# KiCad board Pico Debugger.kicad_pcb (continued)
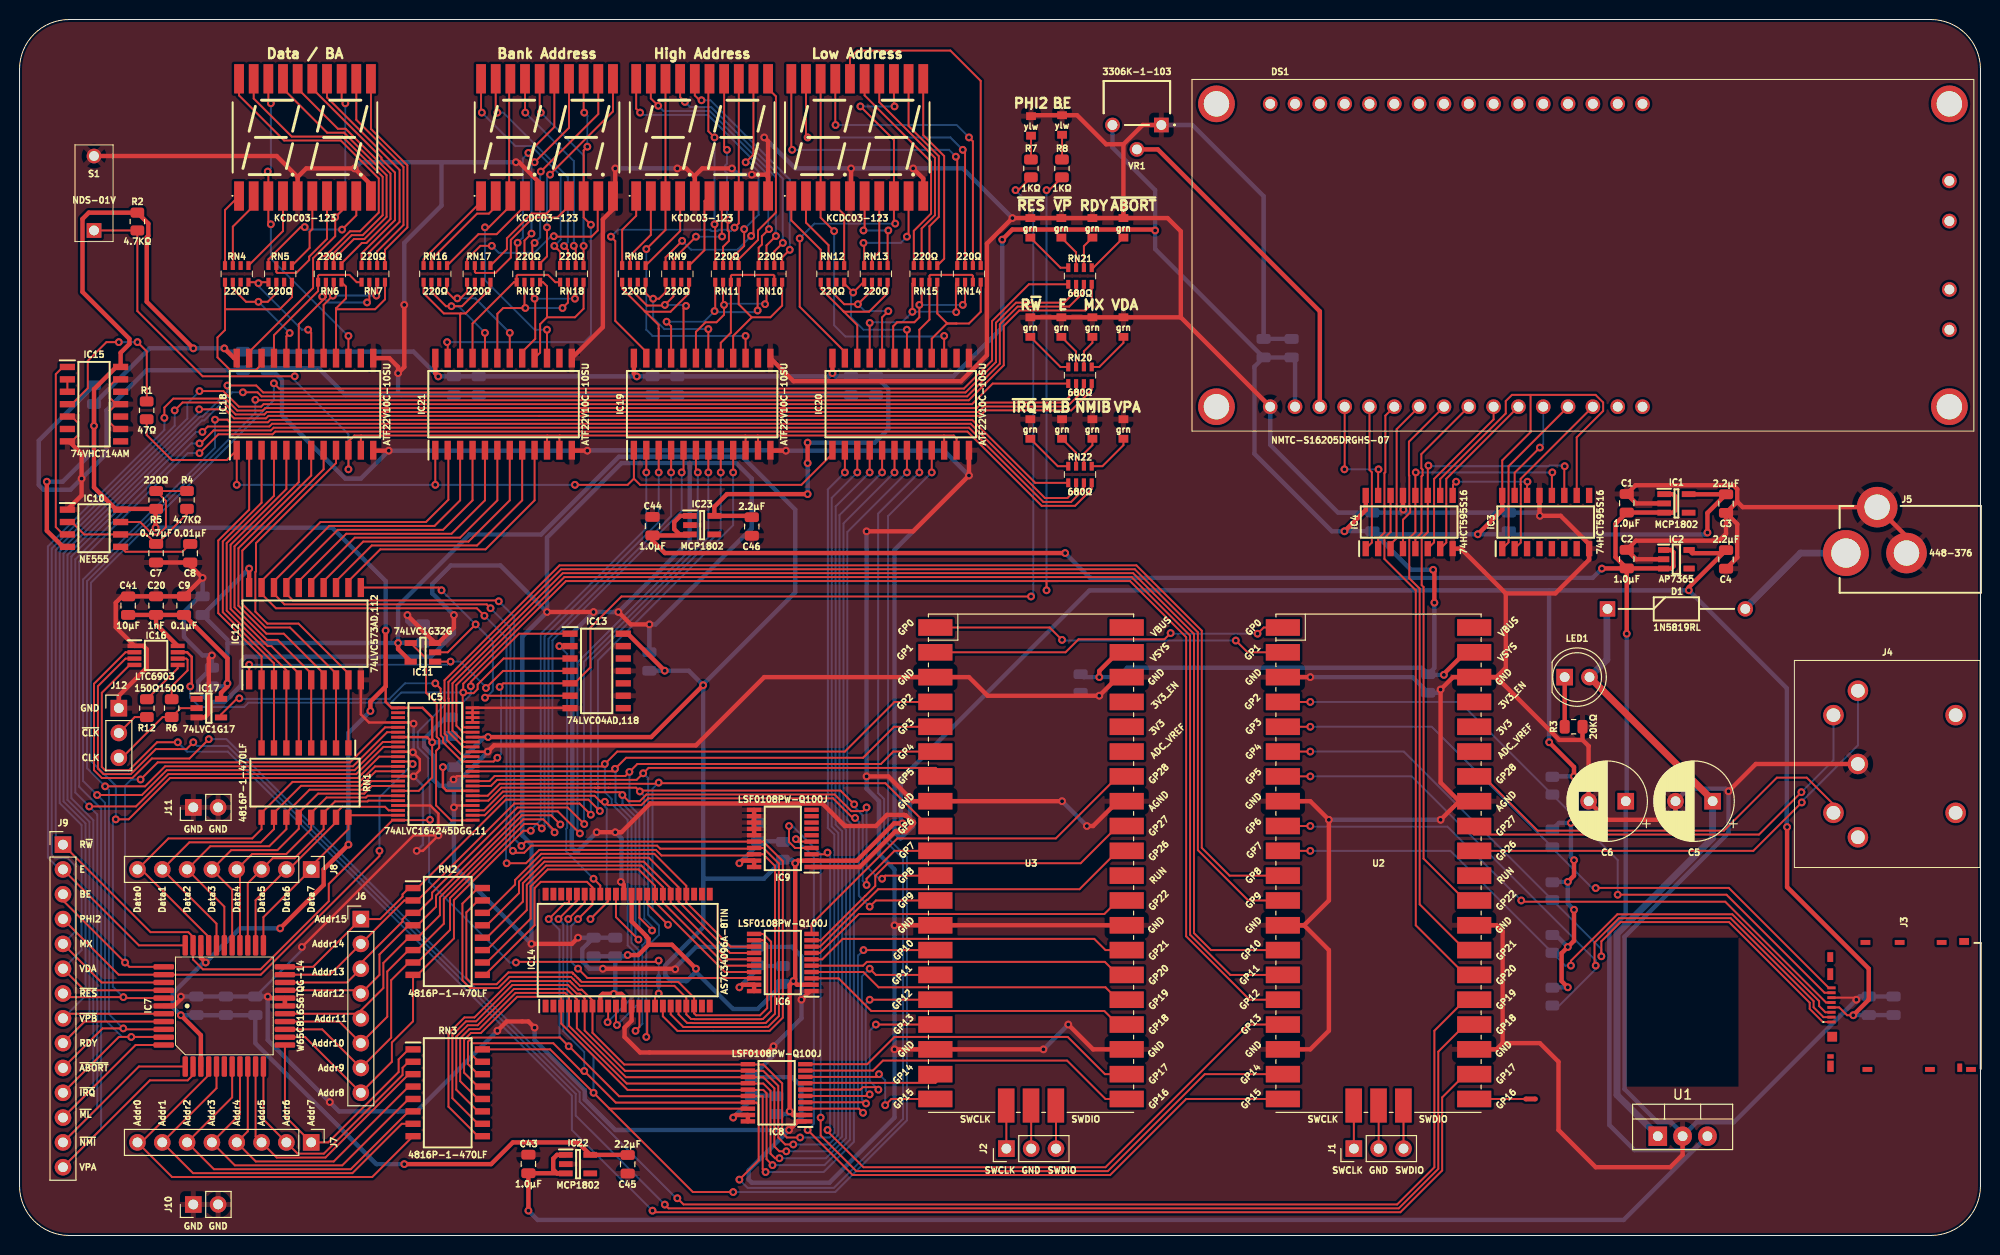
[diagram p0: board, top side]
## Routing (per net, layer and track width the routed paths; a pad name or vN(x,y) marks a point on that pad's centre or on a via; arc(x,y) is an arc through that point) (continued)
/Addr0_{Pico}: length 34.7
  Top w0.2: U3.22 111.07,16.51 107.26,20.32 89.54,20.32 86.75,17.53 IC8.10
/Addr0_{W65}: length 41.2
  Top w0.2: 19.35,16.43 12.45,9.53 ; J7.8 15.61,5.98 36.09,5.98 RN3.8
/Addr1: length 135.4
  Top w0.2: 46.91,11.43 44.29,14.05 44.29,20.52 45.69,21.92 46.72,21.92 50.43,25.64 56.14,25.64 57.02,24.75 57.33,24.75 57.83,24.26 IC14.6 57.83,20.98 61.96,16.85 76.1,16.85 77.64,15.31 77.64,10.02 78.35,9.32 v1(79.17,9.32) ; 85.72,80.38 v1(85.72,78.11)
  Bottom w0.2: v1(85.72,78.11) 83.11,75.49 83.11,41.87 83.78,41.21 83.78,10.3 82.8,9.32 v1(79.17,9.32)
/Addr1_{Pico}: length 34
  Top w0.2: IC8.9 87.33,16.88 88.35,17.9 107.19,17.9 111.12,13.97 112.39,13.97
/Addr1_{W65}: length 39.1
  Top w0.2: IC7.11 20.16,15.08 J7.7 17.75,6.38 34.06,6.38 39.11,11.43 RN3.7
/Addr2: length 134.8
  Top w0.2: 46.91,12.7 44.69,14.92 44.69,20.35 45.86,21.52 46.88,21.52 50.59,25.23 55.98,25.23 57.03,24.18 IC14.5 57.03,21.22 62.05,16.2 76.1,16.2 77.24,15.06 77.24,9.12 77.74,8.62 v1(78.46,8.62) ; IC20.4 v1(87,78.11)
  Bottom w0.2: v1(78.46,8.62) 82.66,8.62 84.18,10.13 84.18,41.37 83.51,42.04 83.51,74.62 v1(87,78.11)
/Addr2_{Pico}: length 17.4
  Top w0.2: 94.61,13.97 89.22,13.97 v1(88.58,13.34) ; v1(87.95,16.51) 87.67,16.23 IC8.8
  Bottom w0.2: v1(88.58,13.34) 88.58,15.88 v1(87.95,16.51)
/Addr2_{W65}: length 35.9
  Top w0.2: 21.76,17.3 21.76,14.14 J7.6 19.89,6.78 33.89,6.78 39.82,12.7
/Addr3: length 134.2
  Top w0.2: 46.91,13.97 45.09,15.79 45.09,20.18 46.02,21.12 47.05,21.12 50.76,24.83 55.81,24.83 56.23,24.41 IC14.4 56.23,21.45 62.13,15.55 76.1,15.55 76.84,14.81 76.84,8.37 77.3,7.91 v1(77.76,7.91) ; IC20.5 v1(88.27,78.11)
  Bottom w0.2: v1(77.76,7.91) 82.52,7.91 84.58,9.97 84.58,41.54 83.91,42.21 83.91,73.75 v1(88.27,78.11)
/Addr3_{Pico}: length 14.5
  Top w0.2: U3.19 93.73,15.62 80.45,15.62
/Addr3_{W65}: length 32.9
  Top w0.2: IC7.14 22.55,12.4 J7.5 22.03,7.18 33.02,7.18 39.82,13.97
/Addr4: length 133.4
  Top w0.2: v1(77.05,7.2) 76.44,7.81 76.44,14.56 76.1,14.9 62.22,14.9 55.43,21.69 IC14.3 55.43,24.33 55.33,24.43 50.92,24.43 47.21,20.72 46.19,20.72 45.49,20.02 45.49,16.66 46.91,15.24 ; IC20.6 v1(89.54,78.11)
  Bottom w0.2: v1(77.05,7.2) 82.37,7.2 84.98,9.8 84.98,41.7 84.31,42.37 84.31,72.88 v1(89.54,78.11)
/Addr4_{Pico}: length 22
  Top w0.2: U3.17 v1(87.63,21.59) ; v1(87.88,14.92) 87.63,15.18 86.3,15.18 86.05,14.93 IC8.6
  Bottom w0.2: v1(87.88,14.92) 87,15.81 87,20.96 v1(87.63,21.59)
/Addr4_{W65}: length 29.8
  Top w0.2: 39.82,15.24 32.15,7.58 24.17,7.58 J7.4 23.35,10.66 IC7.15
/Addr5: length 145.9
  Top w0.2: IC14.41 56.23,34.09 56.13,33.99 55.76,33.99 v1(54.15,32.38) ; 46.91,16.51 45.89,17.53 45.89,19.84 46.3,20.26 55.31,20.26 v1(56.2,19.37) 56.23,19.37 61.35,14.25 76.04,14.25 76.04,6.79 v1(76.34,6.49) ; IC20.7 v1(90.8,78.11)
  Bottom w0.2: v1(76.34,6.49) 82.29,6.49 85.38,9.58 85.38,41.87 84.71,42.54 84.71,72.01 v1(90.8,78.11) ; v1(56.2,19.37) 55.25,20.32 55.25,31.29 v1(54.15,32.38)
/Addr5_{Pico}: length 24.3
  Top w0.2: 94.61,24.13 v1(87,24.13) ; 80.41,14.28 86.84,14.28 v1(87,14.44)
  Bottom w0.2: v1(87,24.13) 86.6,23.73 86.6,14.84 v1(87,14.44)
/Addr5_{W65}: length 27.3
  Top w0.2: IC7.16 24.16,10.14 J7.3 26.31,7.98 31.3,7.98 39.84,16.51
/Addr6: length 153.8
  Top w0.2: IC14.40 57.03,34.26 v1(55.15,32.39) ; v1(73.66,5.72) 75.64,7.69 75.64,13.36 75.39,13.6 61.01,13.6 v1(57.78,16.83) 57.47,16.83 54.62,19.67 46.29,19.67 46.29,18.48 46.99,17.78 ; IC20.8 v1(92.08,78.11)
  Bottom w0.2: v1(92.08,78.11) 87.87,73.9 87.87,45.27 88.47,44.67 88.47,40.5 90.41,38.57 90.41,11.95 83.33,4.87 74.5,4.87 v1(73.66,5.72) ; v1(57.78,16.83) 57.78,18.77 55.64,20.91 55.64,31.89 v1(55.15,32.39)
/Addr6_{Pico}: length 28.4
  Top w0.2: v1(86.62,13.51) 86.5,13.63 IC8.4 ; U3.15 87.63,26.67 v1(87,27.31)
  Bottom w0.2: v1(86.62,13.51) 86.2,13.94 86.2,26.51 v1(87,27.31)
/Addr6_{W65}: length 26.1
  Top w0.2: IC7.17 24.95,11.88 J7.2 28.45,8.38 31.14,8.38 39.19,16.43 39.19,17.16 39.82,17.78
/Addr7: length 160.2
  Top w0.2: IC8.18 60.36,12.98 60.33,13.02 ; IC20.9 v1(93.35,78.11) ; 60.33,13.02 v1(58.74,14.61) 54.29,19.05 RN3.16 ; 60.33,13.02 68.9,4.45 v1(73.03,4.45) ; IC14.39 57.83,34.06 v1(56.15,32.39)
  Bottom w0.2: v1(56.15,32.39) 56.05,32.29 56.05,21.07 58.74,18.38 v1(58.74,14.61) ; v1(73.03,4.45) 83.47,4.45 90.8,11.78 90.8,38.73 88.87,40.67 88.87,73.63 v1(93.35,78.11)
/Addr7_{Pico}: length 31.4
  Top w0.2: IC8.3 85.89,12.98 v1(86.31,12.56) ; U3.14 v1(86.36,29.21)
  Bottom w0.2: v1(86.36,29.21) 85.8,28.65 85.8,13.08 v1(86.31,12.56)
/Addr7_{W65}: length 25.8
  Top w0.2: 39.82,19.05 38.79,18.03 38.79,16.74 31.58,9.53 J7.1 27.16,12.22 IC7.18
/Addr8: length 45.3
  Top w0.2: 75.13,26.35 58.11,26.35 v1(57.15,27.31) ; 47.62,26.67 52.7,31.75 52.7,35.56 53.34,36.2 58.07,36.2 58.63,35.63 IC14.38 58.63,33.87 v1(57.15,32.39)
  Bottom w0.2: v1(57.15,32.39) 56.45,31.69 56.45,28.01 v1(57.15,27.31)
/Addr8_{Pico}: length 33.3
  Top w0.2: IC6.3 83.82,26.32 87.16,22.98 111,22.98 U3.24
/Addr8_{W65}: length 88.3
  Top w0.2: v1(52.32,41.43) 51.55,41.43 44.45,34.33 44.45,30.4 40.72,26.67 ; RN2.8 40.27,21.92 38.1,19.76 38.1,17.78 J6.8 29.23,20.3 IC7.19 ; v1(64.14,78.11) 64.14,80.38
  Bottom w0.2: v1(64.14,78.11) 64.14,72.39 53.33,61.58 53.33,42.54 52.32,41.53 v1(52.32,41.43)
/Addr9: length 38.6
  Top w0.2: IC6.17 72.19,26.97 65.03,34.12 IC14.30 65.03,35.79 63.35,37.47 54.05,37.47 52.31,35.73 52.31,32.43 47.81,27.94
/Addr9_{Pico}: length 32.5
  Top w0.2: IC6.4 86.35,26.97 87.91,25.4 111.12,25.4 112.39,24.13
/Addr9_{W65}: length 86.6
  Top w0.2: v1(53.44,41.66) 52.98,42.13 51.65,42.13 44.05,34.53 44.05,31.27 40.72,27.94 ; IC7.20 30.97,21.1 J6.7 38.03,20.25 38.03,26.13 39.84,27.94 ; IC19.3 v1(65.41,78.11)
  Bottom w0.2: v1(53.44,41.66) 53.73,41.95 53.73,61.35 65.41,73.03 v1(65.41,78.11)
/Addr10: length 37.6
  Top w0.2: IC6.16 72.31,27.62 65.83,34.09 IC14.29 65.83,35.66 63.63,37.86 53.88,37.86 51.91,35.89 51.91,33.3 47.81,29.21
/Addr10_{Pico}: length 32.1
  Top w0.2: IC6.5 86.32,27.62 86.71,28 111.06,28 U3.26
/Addr10_{W65}: length 86.5
  Top w0.2: IC19.4 v1(66.67,78.11) ; 40.72,29.21 43.42,31.91 43.42,34.46 51.55,42.59 53.59,42.59 54.75,41.43 v1(54.75,41.26) ; IC7.21 32.72,21.9 J6.6 37.63,22.39 37.63,27.02 39.82,29.21
  Bottom w0.2: v1(66.67,78.11) 66.67,73.63 54.13,61.08 54.13,41.88 v1(54.75,41.26)
/Addr11: length 36.7
  Top w0.2: 47.81,30.48 51.51,34.17 51.51,36.06 53.71,38.26 63.88,38.26 66.63,35.52 IC14.28 66.63,34.09 72.46,28.27 IC6.15
/Addr11_{Pico}: length 32.7
  Top w0.2: IC6.6 82.13,28.27 84.23,30.36 109.98,30.36 111.12,29.21 U3.27
/Addr11_{W65}: length 83.1
  Top w0.2: 39.82,30.48 37.23,27.89 37.23,25.33 34.92,23.02 J6.5 ; IC19.5 67.94,78.29 v1(67.76,78.11) ; v1(55.34,42.07) 54.4,43.01 51.4,43.01 43.02,34.62 43.02,32.78 40.72,30.48 ; IC7.22 34.45,22.7
  Bottom w0.2: v1(55.34,42.07) 54.53,42.88 54.53,60.91 67.76,74.14 v1(67.76,78.11)
/Addr12: length 35.8
  Top w0.2: 47.81,31.75 51.11,35.04 51.11,36.22 53.55,38.66 64.41,38.66 67.43,35.65 IC14.27 67.43,34.19 72.71,28.92 IC6.14
/Addr12_{Pico}: length 33.6
  Top w0.2: IC6.7 81.9,28.92 85.89,32.9 111,32.9 U3.29
/Addr12_{W65}: length 84
  Top w0.2: 69.22,80.38 69.22,78.24 69.4,78.05 ; 39.82,31.75 36.83,28.76 36.83,26.67 J6.4 ; 40.72,31.75 42.62,33.65 42.62,34.79 51.24,43.41 55.08,43.41 v1(57.34,41.15) ; IC7.25 34.59,25.1
  Bottom w0.2: 69.4,78.05 69.4,70.96 57.09,58.64 57.09,41.41 v1(57.34,41.15)
  vias: v1(69.4,78.11)
/Addr13: length 35.1
  Top w0.2: 47.81,33.02 50.71,35.91 50.71,36.39 53.38,39.06 64.95,39.06 68.23,35.79 IC14.26 68.23,34.09 72.76,29.57 IC6.13
/Addr13_{Pico}: length 35.4
  Top w0.2: 112.39,39.37 108.46,35.44 87.86,35.44 86.78,34.35 86.71,34.35 81.92,29.57 IC6.8
/Addr13_{W65}: length 81.7
  Top w0.2: IC7.26 33.52,25.9 J6.3 ; 34.92,27.87 39.19,32.14 39.19,32.37 39.84,33.02 ; 40.72,33.02 42.22,34.52 42.22,35.09 50.93,43.81 56.09,43.81 v1(57.78,42.11) ; IC19.7 v1(70.49,78.11)
  Bottom w0.2: v1(57.78,42.11) 57.76,42.14 57.76,58.74 70.49,71.47 v1(70.49,78.11)
/Addr14: length 51.1
  Top w0.2: 46.93,34.29 45.72,33.08 45.72,26.35 46.35,25.72 48.82,25.72 50.03,26.92 56.54,26.92 56.64,26.83 56.64,26.83 56.88,26.59 57.11,26.36 57.52,25.95 67.41,25.95 69.03,24.33 IC14.20 69.03,22.74 69.23,22.53 75.77,22.53 76.51,23.27 76.51,29.81 76.1,30.22 IC6.12
/Addr14_{Pico}: length 36.8
  Top w0.2: IC6.9 82,30.22 86.54,34.75 86.54,34.75 87.57,35.78 87.57,36.8 88.86,38.1 108.58,38.1 U3.32
/Addr14_{W65}: length 81.4
  Top w0.2: 40.72,34.29 50.63,44.21 57.32,44.21 v1(58.46,43.07) ; IC19.8 71.75,77.79 ; IC7.27 31.78,26.7 J6.2 39.37,34.29 RN2.2
  Bottom w0.2: 71.75,77.79 71.75,72.18 58.46,58.88 v1(58.46,43.07)
  vias: v1(71.75,78.11)
/Addr15: length 54.8
  Top w0.2: 46.91,35.56 45.32,33.97 45.32,26.12 46.12,25.32 48.99,25.32 50.14,26.47 56.44,26.47 56.71,26.19 57.35,25.55 67.01,25.55 68.23,24.33 IC14.19 68.23,22.63 68.71,22.15 69.05,22.15 69.07,22.14 75.94,22.14 75.96,22.15 76.06,22.15 76.91,23 76.91,30.06 76.1,30.87 IC6.11
/Addr15_{Pico}: length 38.6
  Top w0.2: IC6.10 81.04,31.87 89.82,40.64 106.05,40.64 U3.34
/Addr15_{W65}: length 81.8
  Top w0.2: IC19.9 v1(73.03,78.11) ; 40.72,35.56 49.76,44.61 58.22,44.61 v1(59.38,43.44) ; IC7.28 30.03,27.5 J6.1 36.9,32.39 39.19,34.68 39.19,34.91 39.84,35.56
  Bottom w0.2: v1(59.38,43.44) 59.19,43.64 59.19,58.87 73.03,72.71 v1(73.03,78.11)
/Addr16: length 132.8
  Top w0.2: 24.77,65.67 26.24,64.2 46.8,64.2 v1(47.57,63.43) ; v1(49.85,38.1) 51.83,38.1 53.19,39.46 65.12,39.46 65.69,38.89 75.04,38.89 ; IC14.18 67.43,22.63 68.31,21.75 68.88,21.75 68.9,21.74 76.11,21.74 76.12,21.75 76.36,21.75 77.31,22.7 77.31,37.81 76.1,39.02 IC9.18 ; 43.88,80.31 43.88,75.31 41.59,73.03 30.8,73.03 24.77,66.99
  Bottom w0.2: v1(49.85,38.1) 49.78,38.16 49.78,42.13 49.83,42.17 49.83,61.17 v1(47.57,63.43)
/Addr16_{Pico}: length 85.5
  Top w0.2: v1(82.68,39.19) 82.5,39.02 IC9.3 ; U2.17 125.73,21.59 111.12,6.99 86.36,6.99 82.68,10.67 v1(82.68,10.8)
  Bottom w0.2: v1(82.68,10.8) 82.95,11.07 82.95,38.92 v1(82.68,39.19)
/Addr17: length 133
  Top w0.2: v1(48.2,64.21) 47.8,64.6 27.11,64.6 26.03,65.67 ; IC14.17 66.63,22.63 67.93,21.34 76.27,21.34 76.29,21.35 76.6,21.35 77.71,22.46 77.71,38.06 76.1,39.67 IC9.17 ; v1(50.48,39.37) 50.68,39.17 51.64,39.17 52.37,39.9 65.24,39.9 65.55,39.59 75.09,39.59 ; 26.03,66.97 31.69,72.63 42.46,72.63 45.08,75.25 IC21.3
  Bottom w0.2: v1(50.48,39.37) 50.19,39.66 50.19,41.98 50.23,42.01 50.23,62.18 v1(48.2,64.21)
/Addr17_{Pico}: length 91.2
  Top w0.2: v1(78.74,41.91) 78.74,40.29 79.36,39.67 IC9.4 ; U2.19 121.29,16.51 111.36,6.59 85.63,6.59 81.98,10.23 v1(81.98,12.07)
  Bottom w0.2: v1(78.74,41.91) 79.09,41.91 81.98,39.02 v1(81.98,12.07)
/Addr18: length 134
  Top w0.2: 27.3,65.67 27.98,65 48.95,65 v1(49.04,64.91) ; 27.3,66.97 32.56,72.23 43.33,72.23 46.36,75.25 IC21.4 ; IC14.16 65.83,22.44 67.33,20.94 71,20.94 76.75,20.94 78.1,22.3 78.11,38.31 76.1,40.32 IC9.16 51.8,40.32 v1(51.35,39.87)
  Bottom w0.2: v1(51.35,39.87) 50.59,40.63 50.59,41.81 50.63,41.84 50.63,63.33 v1(49.04,64.91)
/Addr18_{Pico}: length 87.2
  Top w0.2: 130.18,13.97 119.38,13.97 111.6,6.19 85.25,6.19 v1(80.64,10.8) ; v1(79.45,40.57) 79.7,40.32 IC9.5
  Bottom w0.2: v1(80.64,10.8) 81.28,11.43 81.28,38.74 v1(79.45,40.57)
/Addr19: length 27.6
  Top w0.2: IC21.5 47.62,75.25 44.2,71.83 33.43,71.83 28.58,66.97
/Addr20: length 27.6
  Top w0.2: 29.84,66.97 34.3,71.43 45.07,71.43 48.89,75.25 IC21.6
/Addr21: length 27.6
  Top w0.2: 31.11,66.97 35.17,71.03 45.94,71.03 50.17,75.25 IC21.7
/Addr22: length 27.6
  Top w0.2: IC21.8 51.44,75.25 46.82,70.63 36.04,70.63 32.39,66.97
/Addr23: length 27.6
  Top w0.2: 33.66,66.97 36.91,70.23 47.69,70.23 52.7,75.25 IC21.9
/Bank Address Display/Digit 0 A Seg: length 13.7
  Top w0.2: RN18.7 56.92,95.97 v1(56.83,95.89) ; RN19.7 52.47,96.12 v1(52.7,95.89) 52.77,95.82 52.77,91.77 51.44,90.44
  Bottom w0.2: v1(56.83,95.89) v1(52.7,95.89)
/Bank Address Display/Digit 0 B Seg: length 15.6
  Top w0.2: IC21.16 53.27,90.37 53.27,93.28 53.97,93.98 ; 53.97,93.98 56.83,93.98 57.72,94.86 RN18.8 ; 53.97,93.98 53.97,97.17 53.57,97.58 RN19.8
/Bank Address Display/Digit 0 C Seg: length 14
  Top w0.2: RN16.4 43.75,96.59 44.42,95.92 v1(44.79,95.92) 45.12,95.92 45.79,96.59 RN17.1 ; IC21.18 v1(50.17,92.39)
  Bottom w0.2: v1(50.17,92.39) 46.64,95.92 v1(44.79,95.92)
/Bank Address Display/Digit 0 D Seg: length 14.9
  Top w0.2: RN17.2 46.59,96.44 45.27,95.12 v1(44.2,95.12) 43.63,95.12 42.14,96.6 RN16.2 ; IC21.20 v1(47.62,92.39)
  Bottom w0.2: v1(44.2,95.12) 44.9,95.12 v1(47.62,92.39)
/Bank Address Display/Digit 0 E Seg: length 15.1
  Top w0.2: 45.16,94.38 43.42,94.38 41.34,96.45 RN16.1 ; 45.16,94.38 45.08,94.3 IC21.22 ; 45.16,94.38 45.64,94.38 48.19,96.93 RN17.4
/Bank Address Display/Digit 0 F Seg: length 17
  Top w0.2: RN19.6 51.67,95.02 v1(51.75,94.93) 49.49,94.93 48.89,94.34 IC21.19 ; v1(55.56,94.93) 56.11,95.49 RN18.6
  Bottom w0.2: v1(55.56,94.93) v1(51.75,94.93)
/Bank Address Display/Digit 0 G Seg: length 15.3
  Top w0.2: RN18.5 54.83,97.58 54.08,98.32 50.97,98.32 50.87,98.23 RN19.5 50.58,97.58 46.36,93.35 IC21.21
/Bank Address Display/Digit L0 Cathode: length 32
  Top w0.2: v1(47.62,103.19) 48.02,103.19 50.22,105.4 ; 50.1,106.52 50.1,118.27 ; v1(53.97,92.71) IC21.15
  Bottom w0.2: v1(47.62,103.19) 47.62,97.79 52.7,92.71 v1(53.97,92.71)
/Bank Address Display/Digit R0 Cathode: length 43.6
  Top w0.2: v1(43.75,91.44) 43.81,91.38 IC21.23 ; DS5.13 57.72,115 v1(57.78,114.94) ; v1(58.1,111.44) 57.72,111.07 DS5.8 57.72,104.2 v1(58.47,103.46)
  Bottom w0.2: v1(43.75,91.44) 57.78,91.44 58.47,92.12 v1(58.47,103.46) ; v1(57.78,114.94) 58.1,114.62 v1(58.1,111.44)
/BE: length 223.1
  Top w0.2: 106.35,66.98 55.91,66.98 45.4,56.48 v1(45.4,55.58) ; 106.35,66.98 105.09,66.98 v1(105.09,66.04) ; 106.35,66.98 113.64,66.98 119.38,61.24 119.38,30.62 125.87,24.13 130.18,24.13 ; IC5.44 45.43,52.01 45.34,52.09 45.34,55.52 v1(45.4,55.58) ; v1(105.09,107) 105.36,107 R8.1 ; v1(45.4,55.58) 45.48,55.51 46.46,55.51 46.88,55.92 46.88,56.4 49.53,59.06 IC13.3
  Top w0.25: IC16.7 17.14,59.7 17.62,59.22 17.62,56.35 v1(17.46,56.2)
  Bottom w0.2: v1(17.46,56.2) 17.46,55.07 18.44,54.09 22.97,54.09 23.41,54.53 38.02,54.53 39.07,55.58 v1(45.4,55.58) ; v1(105.09,66.04) v1(105.09,107)
/BE_{W65}: length 61.6
  Top w0.2: v1(12.38,46.67) 14.13,48.42 33.82,48.42 37.41,52.01 IC5.5 ; 4.45,34.29 v1(10.8,27.94) 11.24,27.5 14.76,27.5
  Bottom w0.2: v1(10.8,27.94) 10.8,46.04 11.43,46.67 v1(12.38,46.67)
/Clk: length 5.8
  Top w0.2: IC16.6 17.07,59.05 17.19,58.92 17.19,57.83 15.57,56.21 R6.1
/Data0: length 81.5
  Top w0.2: U3.4 89.54,54.61 84.45,49.53 61.16,49.53 v1(59.89,48.26) 59.64,48.01 IC5.36 ; IC14.9 60.23,21.88 v1(60.18,21.83)
  Bottom w0.2: v1(60.18,21.83) 62.93,24.58 62.93,28.99 62.23,29.69 62.23,42.55 60.59,44.19 60.59,44.68 59.89,45.38 v1(59.89,48.26)
/Data0_{W65}: length 41.3
  Top w0.2: J8.8 15.24,40.64 23.81,40.64 24.77,41.59 RN1.9 ; IC5.13 36.37,48.01 34.79,46.43 27.93,46.43 24.77,43.26 ; 12.45,37.47 19.35,30.56
/Data1: length 80.3
  Top w0.2: IC5.35 60.68,47.51 v1(60.93,47.76) 62.07,48.9 86.32,48.9 89.49,52.07 U3.5 ; v1(61.13,21.54) 61.03,21.64 IC14.10
  Bottom w0.2: v1(61.13,21.54) 63.33,23.74 63.33,29.24 62.63,29.94 62.63,42.71 60.99,44.35 60.99,47.71 v1(60.93,47.76)
/Data1_{W65}: length 38.4
  Top w0.2: 26.03,42.36 26.03,41.59 24.68,40.24 17.38,40.24 J8.7 20.16,31.92 IC7.35 ; 26.03,43.26 28.8,46.03 34.95,46.03 36.43,47.51 IC5.14
/Data2: length 79.8
  Top w0.2: IC14.13 63.43,21.34 v1(63.04,20.94) ; IC5.33 48.1,46.51 48.62,47.03 61.99,47.03 v1(62.41,47.45) 63.22,48.26 88.14,48.26 89.41,49.53 94.61,49.53
  Bottom w0.2: v1(63.04,20.94) 63.73,21.64 63.73,29.7 64.06,30.03 64.06,30.91 63.43,31.54 63.43,43.04 62.41,44.06 v1(62.41,47.45)
/Data2_{W65}: length 34.8
  Top w0.2: IC5.16 36,46.51 35.12,45.63 29.68,45.63 27.3,43.26 ; IC7.34 20.95,33.66 J8.6 19.52,39.84 25.55,39.84 27.3,41.59 27.3,42.36
/Data3: length 80.8
  Top w0.2: IC5.32 48.23,46.01 48.86,46.64 63.15,46.64 v1(63.82,47.31) 64.37,47.86 93.74,47.86 U3.7 ; IC14.14 64.23,20.42 v1(64.14,20.32)
  Bottom w0.2: v1(63.82,47.31) 64.33,46.8 64.33,32.83 65.43,31.72 65.43,30.78 64.14,29.48 v1(64.14,20.32)
/Data3_{W65}: length 31.3
  Top w0.2: 21.76,29.7 21.76,35.4 J8.5 21.66,39.44 26.39,39.44 28.58,41.63 28.58,42.36 ; 28.58,43.26 30.55,45.23 35.28,45.23 36.06,46.01 IC5.17
/Data4: length 68.5
  Top w0.2: IC5.30 47.91,45.01 49.13,46.24 58.84,46.24 65.29,46.24 v1(65.41,46.36) 65.47,46.29 88.61,46.29 92.99,41.91 ; IC14.31 64.23,33.93 v1(66.36,31.81)
  Bottom w0.2: v1(65.41,46.36) 64.77,45.72 64.77,33.39 v1(66.36,31.81)
/Data4_{W65}: length 27.3
  Top w0.2: 29.84,43.26 31.42,44.83 35.45,44.83 35.63,45.01 IC5.19 ; 22.55,37.14 IC7.32 ; 29.84,42.55 29.84,41.59 27.29,39.04 23.8,39.04 J8.4
/Data5: length 77.9
  Top w0.2: v1(85.41,44.13) 84,45.54 63.56,45.54 v1(63.48,45.45) 63.09,45.84 59.11,45.84 59.02,45.8 58.95,45.84 58.87,45.84 49.3,45.84 47.97,44.51 IC5.29 ; IC14.32 63.43,32.52 v1(64.73,31.22) ; 94.61,39.37 89.54,39.37 86.68,36.51 v1(86.68,35.88)
  Bottom w0.2: v1(63.48,45.45) 63.93,45 63.93,32.43 64.73,31.62 v1(64.73,31.22) ; v1(86.68,35.88) 86.28,36.28 86.28,43.01 85.41,43.89 v1(85.41,44.13)
/Data5_{W65}: length 25.3
  Top w0.2: 31.11,42.36 31.11,41.59 28.14,38.61 25.91,38.61 J8.3 23.35,36.06 IC7.31 ; IC5.20 35.69,44.51 35.61,44.43 32.29,44.43 31.11,43.26
/Data6: length 78.4
  Top w0.2: IC5.27 47.54,43.51 49.46,45.44 58.86,45.44 59.01,45.37 61.4,45.37 v1(61.69,45.09) 62.32,44.45 63.46,44.45 64.15,45.14 83.41,45.14 85.12,43.43 86.3,43.43 v1(86.68,43.82) ; IC14.35 61.03,32.59 v1(63.33,30.29) ; U3.11 88.58,36.83 v1(88.27,36.51)
  Bottom w0.2: v1(63.33,30.29) 63.03,30.59 63.03,42.88 61.69,44.22 v1(61.69,45.09) ; v1(88.27,36.51) 87.95,36.51 86.68,37.78 v1(86.68,43.82)
/Data6_{W65}: length 22.7
  Top w0.2: IC5.22 37.77,43.51 37.4,43.88 33.01,43.88 32.39,43.26 ; 32.39,42.3 27.55,37.47 ; J8.2 24.16,34.32 IC7.30
/Data7: length 75.1
  Top w0.2: IC14.36 60.23,34.2 v1(58.42,32.39) ; v1(85.5,42.73) 85.25,42.73 83.25,44.74 64.32,44.74 63.63,44.05 60.23,44.05 v1(59.89,44.39) 59.46,44.39 58.84,45.01 49.6,45.01 47.6,43.01 IC5.26 ; v1(87,33.66) 87.63,34.29 U3.12
  Bottom w0.2: v1(87,33.66) 85.88,34.77 85.88,42.35 v1(85.5,42.73) ; v1(59.89,44.39) 59.89,43.93 60.08,43.73 60.08,34.05 v1(58.42,32.39)
/Data7_{W65}: length 20.8
  Top w0.2: 29.84,37.78 33.66,41.59 33.66,42.36 ; 33.86,43.01 IC5.23 ; IC7.29 24.95,32.58 J8.1
/Data Display/Digit 0 A Seg: length 14.2
  Top w0.2: RN6.7 32.15,96.29 ; 32.15,96.29 v1(32.07,96.2) ; 32.15,96.29 31.11,95.25 IC18.17 ; RN7.7 36.59,96.29 v1(36.51,96.2)
  Bottom w0.2: v1(32.07,96.2) v1(36.51,96.2)
/Data Display/Digit 0 B Seg: length 15.6
  Top w0.2: 32.39,94.9 32.48,94.8 36.38,94.8 37.39,95.82 RN7.8 ; 32.39,94.9 IC18.16 ; 32.39,94.9 33.4,95.91 33.4,97.12 RN6.8
/Data Display/Digit 0 C Seg: length 12.4
  Top w0.2: IC18.18 29.84,92.39 v1(29.53,92.71) ; RN5.1 24.55,97.58 v1(24.45,97.47) 24.34,97.58 RN4.4
  Bottom w0.2: v1(24.45,97.47) 24.45,97.16 28.89,92.71 v1(29.53,92.71)
/Data Display/Digit 0 D Seg: length 14.4
  Top w0.2: RN4.2 21.83,96.93 23.18,95.57 25.4,95.57 26.28,96.44 26.28,97.58 ; v1(27.64,92.37) 27.3,92.04 IC18.20
  Bottom w0.2: v1(27.64,92.37) v1(24.45,95.57)
/Data Display/Digit 0 E Seg: length 22.2
  Top w0.2: RN5.4 27.88,96.06 26.62,94.8 21.08,94.8 21.02,94.86 ; 24.77,89.16 24.14,88.54 21.6,88.54 20.26,89.88 20.26,91.91 21.02,92.68 21.02,94.86 ; 21.02,94.86 RN4.1
/Data Display/Digit 0 F Seg: length 17.6
  Top w0.2: v1(35.56,95.5) 35.8,95.74 35.8,97.58 ; 28.58,89.8 28.58,93.27 31.35,96.05 RN6.6 31.35,96.47 v1(30.97,96.09)
  Bottom w0.2: v1(30.97,96.09) 31.56,95.5 v1(35.56,95.5)
/Data Display/Digit 0 G Seg: length 15.1
  Top w0.2: IC18.21 26.03,92.15 30.55,96.66 RN6.5 30.55,98.23 30.65,98.32 33.76,98.32 34.5,97.58 35,97.58
/Data Display/Digit L0 Cathode: length 32.3
  Top w0.2: v1(25.72,103.51) 25.46,103.76 DS2.3 25.46,108.84 v1(25.4,108.9) ; v1(33.66,92.08) 33.66,89.8 ; v1(25.72,115.89) 25.46,116.15 DS2.18
  Bottom w0.2: v1(25.4,108.9) 25.72,109.22 v1(25.72,115.89) ; v1(33.66,92.08) 33.62,92.08 25.72,99.98 v1(25.72,103.51)
/Data Display/Digit R0 Cathode: length 34.6
  Top w0.2: v1(33.34,115.89) 32.96,116.27 DS2.13 ; 23.5,90.44 30.04,96.98 30.04,100.02 32.3,102.29 v1(32.3,104.22) 32.96,104.88 DS2.8
  Bottom w0.2: v1(32.3,104.22) 33.34,105.26 v1(33.34,115.89)
/E: length 164.2
  Top w0.2: J9.2 12.21,29.7 IC7.39 ; RN20.2 108.11,86.55 106.82,85.25 98.52,85.25 97.96,84.69 25.14,84.69 24.89,84.44 22.28,84.44 21.05,85.66 15.74,85.66 14.82,84.74 v1(14.82,83.69)
  Bottom w0.2: 4.12,37.47 2.9,38.69 2.9,70.52 14.82,82.45 v1(14.82,83.69)
/High Address Display/Digit 0 A Seg: length 14
  Top w0.2: IC19.17 71.75,91.37 72.79,92.4 RN11.7 72.79,98.23 72.89,98.32 77.14,98.32 77.23,98.23 RN10.7
/High Address Display/Digit 0 B Seg: length 15.1
  Top w0.2: RN10.8 78.03,95.18 76.83,93.98 74.93,93.98 ; RN11.8 73.59,95.32 74.93,93.98 ; IC19.16 73.03,92.08 74.93,93.98
/High Address Display/Digit 0 C Seg: length 15.8
  Top w0.2: RN9.1 66.11,96.56 65.44,95.89 v1(64.83,95.89) 64.64,95.89 64.06,96.46 RN8.4 ; IC19.18 v1(70.48,92.77)
  Bottom w0.2: v1(70.48,92.77) 65.98,92.77 64.83,93.92 v1(64.83,95.89)
/High Address Display/Digit 0 D Seg: length 15.3
  Top w0.2: RN8.2 62.47,96.93 64.2,95.19 65.98,95.19 v1(66.04,95.25) 66.91,96.12 RN9.2 ; IC19.20 67.94,94.9 v1(68.2,95.15)
  Bottom w0.2: v1(68.2,95.15) 68.11,95.25 v1(66.04,95.25)
/High Address Display/Digit 0 E Seg: length 15.8
  Top w0.2: 63.97,94.62 65.39,93.2 65.39,92.83 65.41,92.81 IC19.22 ; 63.97,94.62 61.67,96.93 RN8.1 ; 63.97,94.62 64.04,94.55 66.61,94.55 68.51,96.45 RN9.4
/High Address Display/Digit 0 F Seg: length 16.2
  Top w0.2: v1(76.29,95.33) 76.44,95.47 76.44,97.58 ; RN11.6 71.99,95.35 v1(72.09,95.25) 72.09,94.25 71.32,93.47 70.2,93.47 69.22,92.49 69.22,89.8
  Bottom w0.2: v1(72.09,95.25) 72.22,95.38 76.24,95.38 v1(76.29,95.33)
/High Address Display/Digit 0 G Seg: length 19.7
  Top w0.2: 75.64,97.58 75.64,96.93 75.53,96.82 v1(75.53,94.68) ; RN11.5 71.19,94.69 v1(71.12,94.62) ; IC19.21 66.67,93.06 v1(66.21,93.53)
  Bottom w0.2: v1(75.53,94.68) 75.36,94.51 71.23,94.51 v1(71.12,94.62) 70.03,93.53 v1(66.21,93.53)
/High Address Display/Digit L0 Cathode: length 39.2
  Top w0.2: IC19.15 v1(74.3,92.08) ; DS3.18 DS3.3 66.1,102.93 v1(64.14,100.97)
  Bottom w0.2: v1(64.14,100.97) 64.14,92.71 64.77,92.08 v1(74.3,92.08)
/High Address Display/Digit R0 Cathode: length 42
  Top w0.2: DS3.13 DS3.8 73.6,103.6 v1(73.16,103.16) ; 64.14,90.44 60.96,93.61 60.96,101.79 v1(60.51,102.24)
  Bottom w0.2: v1(60.51,102.24) 61.23,102.95 70.69,102.95 70.83,102.81 71.41,102.81 71.55,102.95 72.59,102.95 72.74,102.81 72.8,102.81 v1(73.16,103.16)
/Keypad CP: length 45.8
  Top w0.2: U2.32 148.83,41.04 178,41.04 v1(182.34,45.37)
  Bottom w0.2: J4.4 185.62,48.66 v1(182.34,45.37)
/Keypad PL: length 50.3
  Top w0.2: 147.95,39.37 177.42,39.37 v1(182.37,44.32)
  Bottom w0.2: v1(182.37,44.32) 182.37,44.42 188.12,50.17 J4.1
/Keypad Q_{IN}: length 41.5
  Top w0.2: 185.62,44.12 182.88,46.86 179.83,46.86 174.41,41.44 155.34,41.44 149.79,46.99
/LCD Bit Out: length 52.8
  Top w0.2: U2.26 142.88,31.75 142.88,66.04 139.67,69.24 139.67,71.37 140.3,72 IC4.14
/LCD DB0: length 15.3
  Top w0.2: 140.3,70.75 140.91,71.36 140.91,74.58 140.92,74.6 140.92,82.53 DS1.7
/LCD DB1: length 16.4
  Top w0.2: 141.56,70.3 141.56,73.27 142.3,74.01 142.3,74.58 142.21,74.68 142.21,77.78 142.18,77.82 142.18,81.25 DS1.8
/LCD DB2: length 16.9
  Top w0.2: 142.83,70.3 142.83,71.29 143.46,71.92 143.46,77.7 143.57,77.82 143.57,78.39 143.45,78.52 143.45,79.98 DS1.9
/LCD DB3: length 17.3
  Top w0.2: DS1.10 150.84,83.53 144.75,77.44 144.75,70.95 144.11,70.3
/LCD DB4: length 17.8
  Top w0.2: 145.38,70.3 146,70.92 146,77.45 DS1.11
/LCD DB5: length 10.3
  Top w0.2: v1(155.57,80.65) 153,78.07 IC3.15
  Bottom w0.2: v1(155.57,80.65) 155.92,80.99 DS1.12
/LCD DB6: length 17.3
  Top w0.2: 151.73,70.3 152.37,70.95 152.37,78.74 DS1.13
/LCD DB7: length 17.9
  Top w0.2: 160.99,84.83 153.61,77.44 153.61,76.86 153.62,76.85 153.62,70.92 153,70.3
/LCD E: length 15.2
  Top w0.2: DS1.6 139.76,83.91 139.76,78.13 139.67,78.04 139.67,71.94 139.02,71.29 139.02,70.3
/LCD RS: length 12.6
  Top w0.2: v1(135.57,78.42) 135.6,78.45 DS1.4 ; v1(139.06,78.42) 139.02,78.38 IC4.15
  Bottom w0.2: v1(139.06,78.42) v1(135.57,78.42)
/LCD R~{W}: length 14.9
  Top w0.2: 137.75,70.3 138.38,70.92 138.38,78.12 138.14,78.36 DS1.5
/LCD Shift Clock: length 63.7
  Top w0.2: U2.29 143.67,38.57 143.67,66.37 143.48,66.56 143.48,71.37 144.11,72 IC4.11 144.11,78.74 v1(144.17,78.8) ; v1(158.12,78.74) 158.07,78.7 IC3.11